# Altium PCB eRTM15_Baikal.PcbDoc (part 4 of 7)
Units mm, origin at the board's own origin, x right, y up, seen from the top; angles counter-clockwise.
Board outline 161.5 x 148.5 mm, 8 copper layers (Top Layer, RF_Layer_1, GND_PWR_Plane, RF_Layer_3, RF_Layer_4, GND_PWR_Plane_2, RF_Layer_6, Bottom Layer), stack 1.462 mm thick; 749 components, 528 nets, 2540 pads, 2420 vias.
Unrouted connection lines stored in the file: 24.
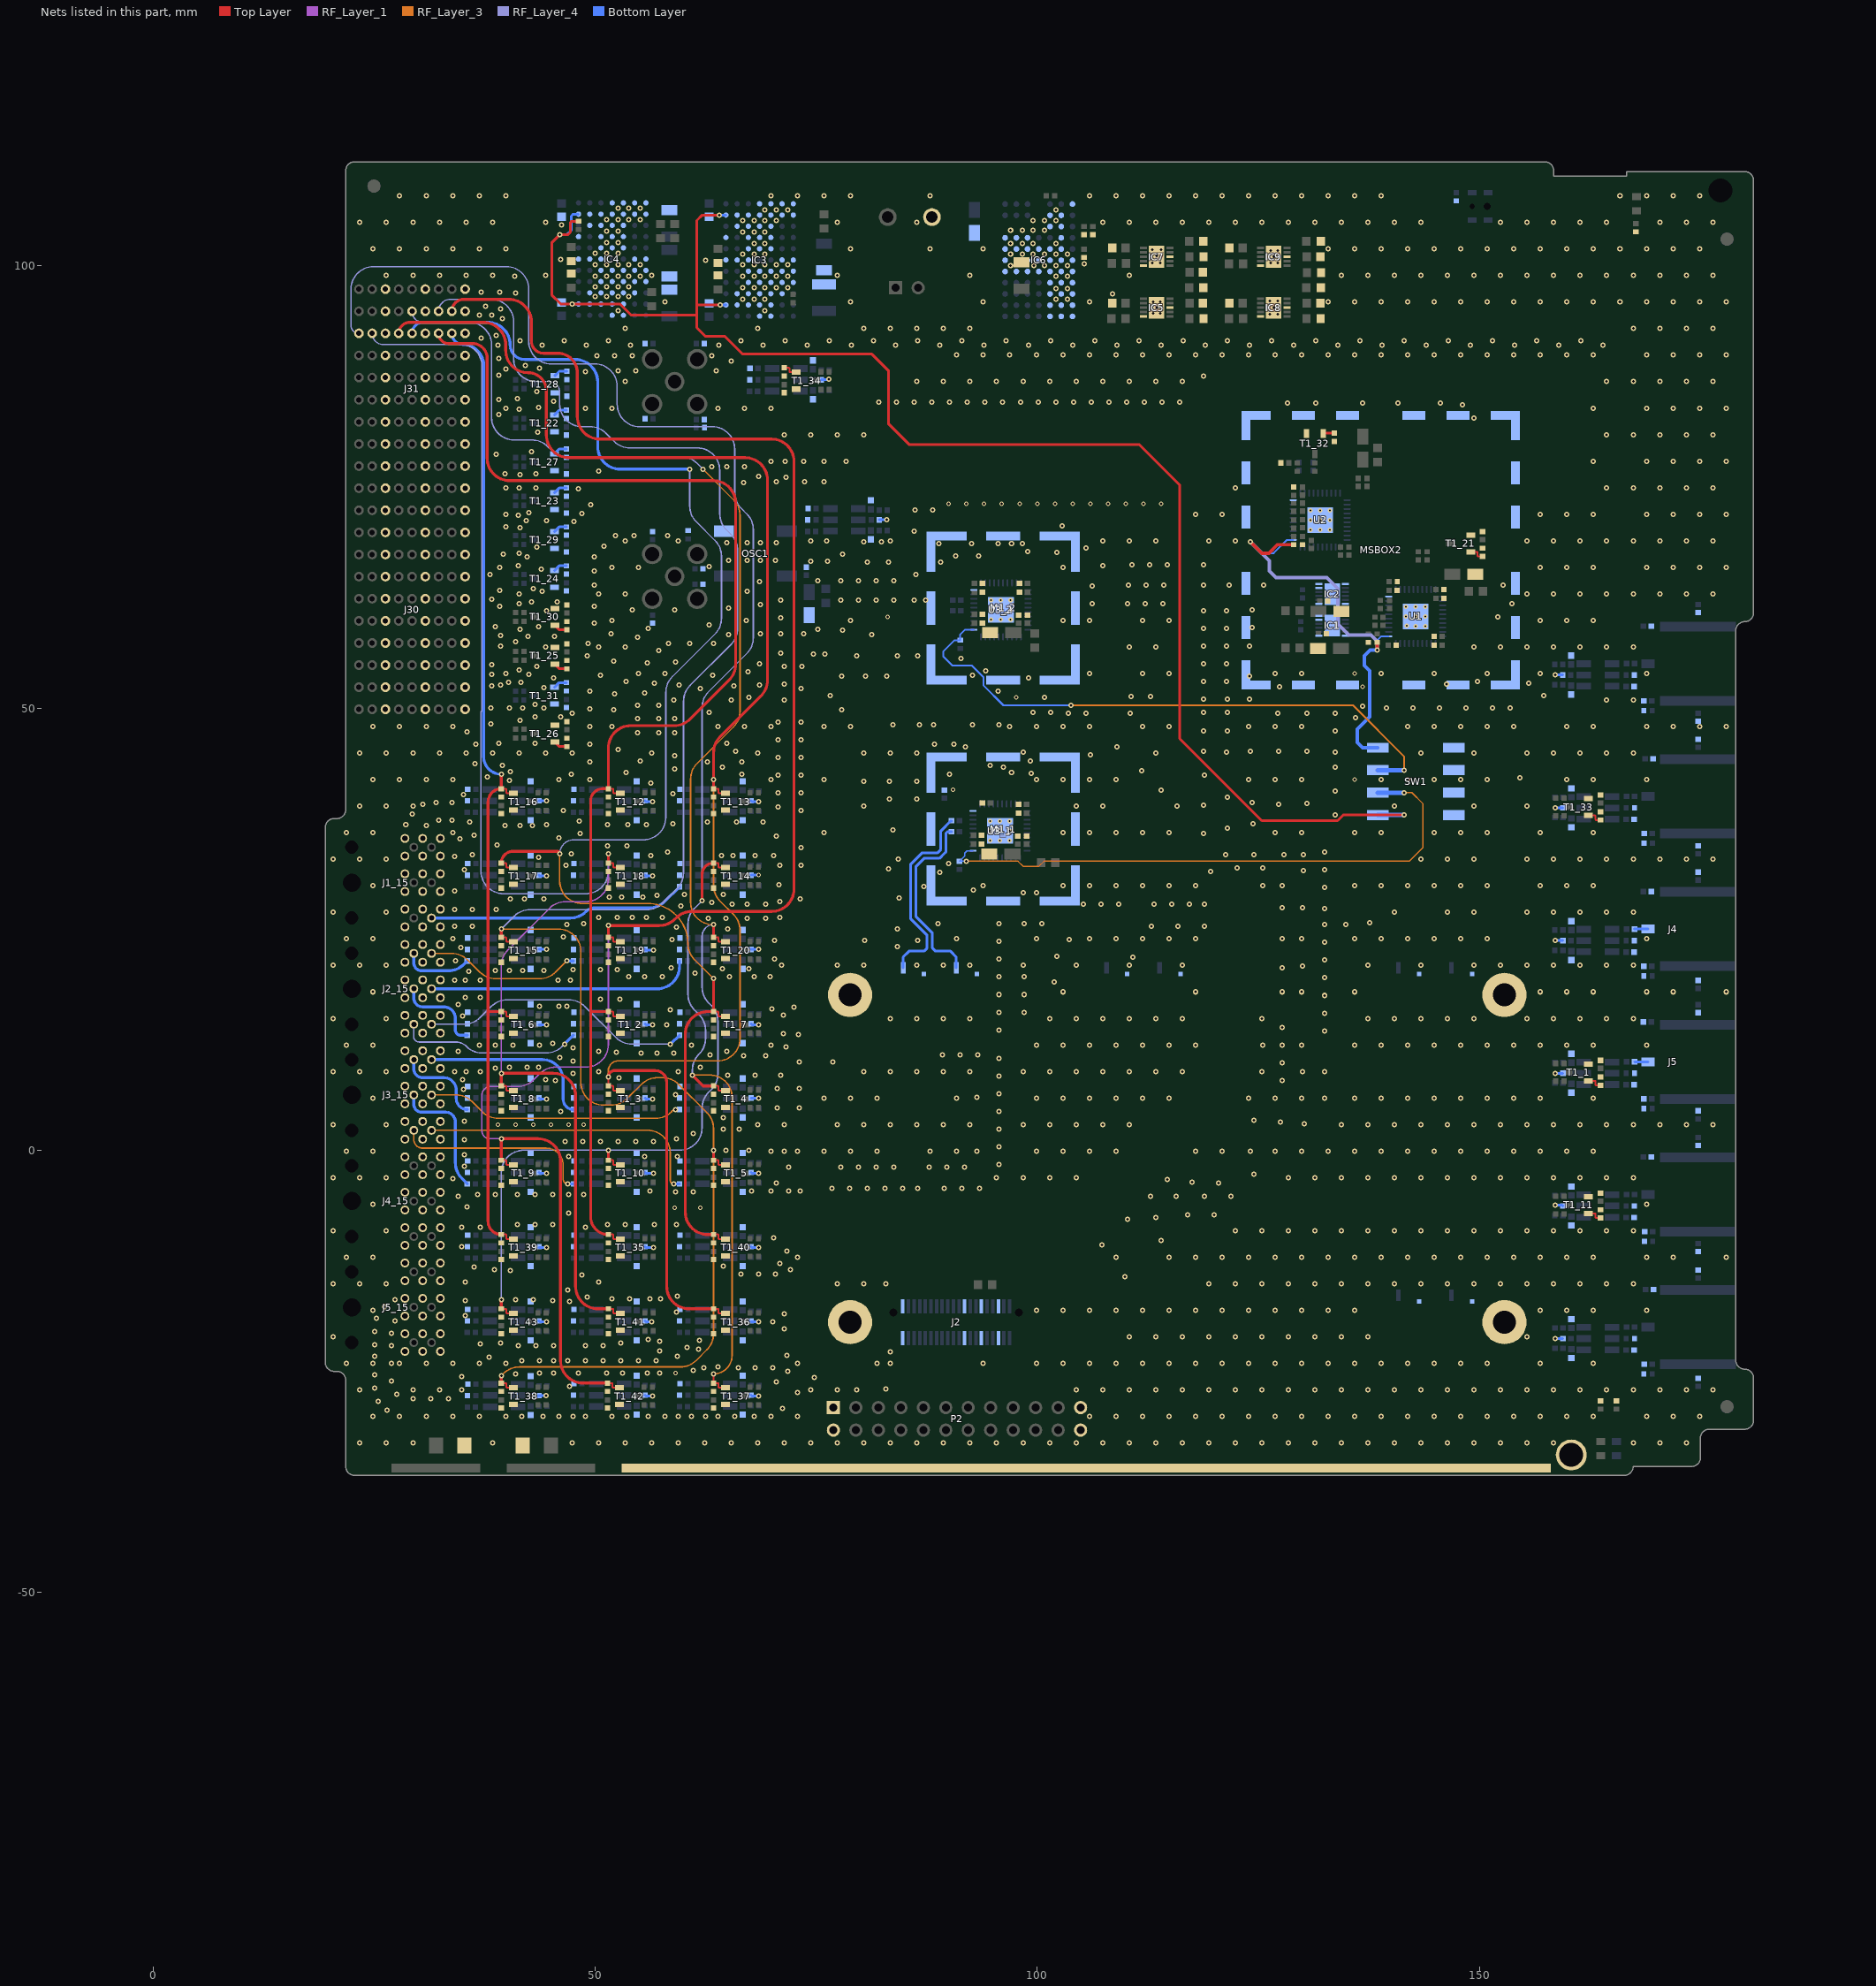
[diagram p10: the nets of this part, all layers, seen from the top]

## Via types
v1: diameter 0.6, hole 0.3, Top Layer to Bottom Layer, 2289 vias
v2: diameter 0.6, hole 0.3, Top Layer to Bottom Layer, tented both sides, 49 vias
v3: diameter 0.5, hole 0.2, Top Layer to Bottom Layer, 36 vias
v4: diameter 0.5, hole 0.3, Top Layer to Bottom Layer, 34 vias
v5: diameter 0.5, hole 0.3, Top Layer to Bottom Layer, tented both sides, 12 vias

## Nets (pads, with @x,y where several pads share a name; then routed paths per layer and width w, separated by ;. In a path a pad name is that pad's centre, name@x,y a point inside that pad or via, vN(x,y) a via of type N, cw(c..) or ccw(c..) an arc to the next point about the centre after c; other vN are vias at no path point) (continued)
EN4: J31.2d R23_10.2 R23_20.2 R23_43.2 T1_10.1 T1_20.1 T1_43.1 | length 176.2
  Top Layer w0.2: R23_43.2@39.4,-17.93 39.91,-17.93 39.97,-17.99 39.97,-18.4 40.02,-18.45 T1_43.1@40.75,-18.45 ; R23_10.2@51.5,-1.13 52.01,-1.13 52.07,-1.19 52.07,-1.6 52.12,-1.65 T1_10.1@52.85,-1.65 ; R23_20.2@63.4,24.07 63.91,24.07 63.97,24.01 63.97,23.6 64.02,23.55 T1_20.1@64.75,23.55
  Top Layer w0.33: R23_43.2@39.4,-17.93 v1(39.4,-16.9) ; R23_10.2@51.5,-1.13 v1(51.5,0) ; R23_20.2@63.4,24.07 v1(63.4,25.5)
  RF_Layer_3 w0.16: v1(62.2,77) 65.656,73.544 cw(c63.86,71.748) 66.4,71.748 66.4,49.652 cw(c63.86,49.652) 65.656,47.856 61.544,43.744 ccw(c63.34,41.948) 60.8,41.948 60.8,28.04 ccw(c63.34,28.04) v1@63.34,25.5
  RF_Layer_4 w0.17: J31.2d@29.3,94.85 ccw(c30.55,94.85) 30.55,93.6 35.76,93.6 cw(c35.76,91.06) 38.3,91.06 38.3,82.84 ccw(c40.84,82.84) 40.84,80.3 42.848,80.3 cw(c42.848,77.76) 44.644,79.556 45.056,79.144 ccw(c46.852,80.94) 46.852,78.4 59.748,78.4 cw(c59.748,75.86) 61.544,77.656 v1(62.2,77) ; v1(39.4,-16.9) 39.4,-2.54 cw(c41.94,-2.54) 41.94,0 v1(51.5,0) 59.56,0 ccw(c59.56,2.54) 62.1,2.54 62.1,4.748 cw(c64.64,4.748) 62.844,6.544 63.156,6.856 ccw(c61.36,8.652) 63.9,8.652 63.9,14.548 ccw(c61.36,14.548) 63.156,16.344 62.844,16.656 cw(c64.64,18.452) 62.1,18.452 62.1,24.2 cw(c63.4,24.2) v1(63.4,25.5)
EN5: J31.2e R23_5.2 R23_15.2 R23_38.2 T1_5.1 T1_15.1 T1_38.1 | length 220.7
  Top Layer w0.2: R23_38.2@39.4,-26.33 39.91,-26.33 39.97,-26.39 39.97,-26.8 40.02,-26.85 T1_38.1@40.75,-26.85 ; R23_15.2@39.4,24.07 39.91,24.07 39.97,24.01 39.97,23.6 40.02,23.55 T1_15.1@40.75,23.55 ; R23_5.2@63.4,-1.13 63.91,-1.13 63.97,-1.19 63.97,-1.6 64.02,-1.65 T1_5.1@64.75,-1.65
  Top Layer w0.33: R23_38.2@39.4,-26.3 v1(39.4,-25.5) ; R23_15.2@39.4,24.07 v1(39.4,25) ; R23_5.2@63.4,-1.13 v1(63.4,0)
  RF_Layer_3 w0.17: v1(39.4,-25.5) 39.656,-25.244 cw(c41.452,-27.04) 41.452,-24.5 59.648,-24.5 ccw(c59.648,-21.96) 61.444,-23.756 62.656,-22.544 ccw(c60.86,-20.748) 63.4,-20.748 v1(63.4,0) 63.4,2.448 ccw(c60.86,2.448) 62.656,4.244 59.444,7.456 ccw(c57.648,5.66) 58.061,8.166 ccw(c57.648,5.66) 57.648,8.2 57.052,8.2 ccw(c57.052,5.66) 55.256,7.456 53.644,5.844 cw(c51.848,7.64) 51.848,5.1 50.94,5.1 cw(c50.94,7.64) 48.4,7.64 48.4,22.46 ccw(c45.86,22.46) 45.86,25 v1(39.4,25)
  RF_Layer_4 w0.17: J31.2e@32.3,94.85 cw(c33.65,94.85) 33.65,96.2 38.26,96.2 cw(c38.26,93.66) 40.8,93.66 40.8,89.44 ccw(c43.34,89.44) 43.34,86.9 44.8,86.9 cw(c44.8,85.7) 46,85.7 46,84.34 ccw(c48.54,84.34) 48.54,81.8 49.448,81.8 cw(c49.448,79.26) 51.244,81.056 52.156,80.144 ccw(c53.952,81.94) 53.952,79.4 61.56,79.4 cw(c61.56,76.86) 64.1,76.86 64.1,71.952 ccw(c66.64,71.952) 64.844,70.156 65.356,69.644 cw(c63.56,67.848) 66.1,67.848 66.1,58.952 cw(c63.56,58.952) 65.356,57.156 60.744,52.544 ccw(c62.54,50.748) 60,50.748 60,31.352 cw(c57.46,31.352) 59.256,29.556 57.644,27.944 cw(c55.848,29.74) 55.848,27.2 42.652,27.2 ccw(c42.652,24.66) 40.856,26.456 v1(39.4,25)
EN6: J31.2f R23_9.2 R23_19.2 R23_42.2 T1_9.1 T1_19.1 T1_42.1 | length 208
  Top Layer w0.2: R23_9.2@39.4,-1.13 39.91,-1.13 39.97,-1.19 39.97,-1.6 40.02,-1.65 T1_9.1@40.75,-1.65 ; R23_42.2@51.4,-26.33 51.91,-26.33 51.97,-26.39 51.97,-26.8 52.02,-26.85 T1_42.1@52.75,-26.85 ; R23_19.2@51.5,24.07 52.01,24.07 52.07,24.01 52.07,23.6 52.12,23.55 T1_19.1@52.85,23.55
  Top Layer w0.33: J31.2f@33.8,94.85 cw(c35.15,94.85) 35.15,96.2 40.26,96.2 cw(c40.26,93.66) 42.8,93.66 42.8,91.5 ccw(c44.2,91.5) 44.2,90.1 45.8,90.1 cw(c45.8,87.9) 48,87.9 48,82.94 ccw(c50.54,82.94) 50.54,80.4 69.96,80.4 cw(c69.96,77.86) 72.5,77.86 72.5,29.54 cw(c69.96,29.54) 69.96,27 60.952,27 ccw(c60.952,24.46) 59.156,26.256 59.044,26.144 cw(c57.248,27.94) 57.248,25.4 v1(51.5,25.4) R23_19.2@51.5,24.07 ; R23_9.2@39.4,-1.13 v1(39.4,1.3) 43.56,1.3 cw(c43.56,-1.24) 46.1,-1.24 46.1,-23.79 ccw(c48.64,-23.79) 48.64,-26.33 R23_42.2@51.4,-26.33
  RF_Layer_1 w0.17: v1(39.4,1.3) 38.1,1.3 cw(c38.1,2.2) 37.2,2.2 37.2,6.2 cw(c38.2,6.2) 38.2,7.2 41.248,7.2 ccw(c41.248,9.74) 43.044,7.944 43.756,8.656 cw(c45.552,6.86) 45.552,9.4 48.96,9.4 ccw(c48.96,11.94) 51.5,11.94 v1(51.5,25.4)
EN7: J31.3a R23_4.2 R23_14.2 R23_37.2 T1_4.1 T1_14.1 T1_37.1 | length 193.5
  Top Layer w0.2: v1(63.4,-25.3) R23_37.2@63.4,-26.33 63.91,-26.33 63.97,-26.39 63.97,-26.8 64.02,-26.85 T1_37.1@64.75,-26.85 ; R23_4.2@63.4,7.27 63.91,7.27 63.97,7.21 63.97,6.8 64.02,6.75 T1_4.1@64.75,6.75 ; R23_14.2@63.4,32.47 63.91,32.47 63.97,32.41 63.97,32 64.02,31.95 T1_14.1@64.75,31.95
  Top Layer w0.33: v1(61,8.5) 62.23,7.27 R23_4.2@63.4,7.27 ; v1(62.1,28.2) 62.1,31.17 cw(c63.4,31.17) R23_14.2@63.4,32.47
  RF_Layer_3 w0.17: v1(61,8.5) 62.96,8.5 cw(c62.96,5.96) 65.5,5.96 65.5,-23.2 cw(c63.4,-23.2) v1(63.4,-25.3)
  RF_Layer_4 w0.16: J31.3a@23.3,92.35 cw(c23.3,93.245) 22.405,93.245 22.405,97.36 cw(c24.945,97.36) 24.945,99.9 39.96,99.9 cw(c39.96,97.36) 42.5,97.36 42.5,91.44 ccw(c45.04,91.44) 45.04,88.9 49.96,88.9 cw(c49.96,86.36) 52.5,86.36 52.5,84.34 ccw(c55.04,84.34) 55.04,81.8 63.26,81.8 cw(c63.26,79.26) 65.8,79.26 65.8,74.352 ccw(c68.34,74.352) 66.544,72.556 67.156,71.944 cw(c65.36,70.148) 67.9,70.148 67.9,57.952 cw(c65.36,57.952) 67.156,56.156 62.844,51.844 ccw(c64.64,50.048) 62.1,50.048 v1(62.1,28.2)
  RF_Layer_4 w0.17: v1(61,8.5) 61,9.048 cw(c63.54,9.048) 61.744,10.844 61.756,10.856 ccw(c59.96,12.652) 62.5,12.652 62.5,13.548 ccw(c59.96,13.548) 61.756,15.344 61.244,15.856 cw(c63.04,17.652) 60.5,17.652 60.5,25.548 cw(c63.04,25.548) 61.244,27.344 v1(62.1,28.2)
EN8: J31.3b R23_8.2 R23_18.2 R23_41.2 T1_8.1 T1_18.1 T1_41.1 | length 167.3
  Top Layer w0.2: R23_8.2@39.4,7.27 39.91,7.27 39.97,7.21 39.97,6.8 40.02,6.75 T1_8.1@40.75,6.75 ; R23_41.2@51.5,-17.93 52.01,-17.93 52.07,-17.99 52.07,-18.4 52.12,-18.45 T1_41.1@52.85,-18.45 ; R23_18.2@51.5,32.47 52.01,32.47 52.07,32.41 52.07,32 52.12,31.95 T1_18.1@52.85,31.95
  Top Layer w0.33: R23_8.2@39.4,7.27 v1(39.4,8.7) 45.26,8.7 cw(c45.26,6.16) 47.8,6.16 47.8,-15.39 ccw(c50.34,-15.39) 50.34,-17.93 R23_41.2@51.5,-17.93 ; R23_18.2@51.5,32.47 v1(51.5,33.5)
  RF_Layer_1 w0.17: v1(39.4,8.7) 39.4,20.848 cw(c41.94,20.848) 40.144,22.644 44.856,27.356 cw(c46.652,25.56) 46.652,28.1 48.96,28.1 ccw(c48.96,30.64) 51.5,30.64 v1(51.5,33.5)
  RF_Layer_4 w0.16: J31.3b@24.8,92.35 ccw(c26.05,92.35) 26.05,91.1 34.8,91.1 cw(c34.8,88.7) 37.2,88.7 37.2,49.7 cw(c37.1,49.7) 37.1,49.6 37.1,31.54 ccw(c39.64,31.54) 39.64,29 48.96,29 ccw(c48.96,31.54) 51.5,31.54 v1(51.5,33.5)
EN9: J31.3c R23_3.2 R23_13.2 R23_36.2 T1_3.1 T1_13.1 T1_36.1 | length 184.2
  Top Layer w0.2: v1(51.5,8.3) R23_3.2@51.5,7.27 52.01,7.27 52.07,7.21 52.07,6.8 52.12,6.75 T1_3.1@52.85,6.75 ; R23_36.2@63.4,-17.93 63.91,-17.93 63.97,-17.99 63.97,-18.4 64.02,-18.45 T1_36.1@64.75,-18.45 ; R23_13.2@63.4,40.87 63.91,40.87 63.97,40.81 63.97,40.4 64.02,40.35 T1_13.1@64.75,40.35
  Top Layer w0.33: J31.3c@27.8,92.35 cw(c29.05,92.35) 29.05,93.6 37.36,93.6 cw(c37.36,91.06) 39.9,91.06 39.9,90.44 ccw(c42.44,90.44) 42.44,87.9 cw(c42.44,85.84) 44.5,85.84 44.5,80.84 ccw(c47.04,80.84) 47.04,78.3 66.96,78.3 cw(c66.96,75.76) 69.5,75.76 69.5,53.152 cw(c66.96,53.152) 68.756,51.356 64.144,46.744 ccw(c65.94,44.948) 63.4,44.948 v1(63.4,41.9) R23_13.2@63.4,40.87 ; v1(51.5,8.3) cw(c52.2,8.3) 52.2,9 56.8,9 cw(c56.8,7.7) 58.1,7.7 58.1,-15.39 ccw(c60.64,-15.39) 60.64,-17.93 R23_36.2@63.4,-17.93
  RF_Layer_3 w0.17: v1(51.5,8.3) 51.5,9 cw(c52.6,9) 52.6,10.1 63.86,10.1 ccw(c63.86,12.64) 66.4,12.64 66.4,24.848 ccw(c63.86,24.848) 65.656,26.644 64.144,28.156 cw(c65.94,29.952) 63.4,29.952 v1(63.4,41.9)
EN10: J31.3d R23_7.2 R23_17.2 R23_40.2 T1_7.1 T1_17.1 T1_40.1 | length 174.9
  Top Layer w0.2: R23_17.2@39.4,32.47 39.91,32.47 39.97,32.41 39.97,32 40.02,31.95 T1_17.1@40.75,31.95 ; R23_40.2@63.4,-9.53 63.91,-9.53 63.97,-9.59 63.97,-10 64.02,-10.05 T1_40.1@64.75,-10.05 ; R23_7.2@63.4,15.67 63.91,15.67 63.97,15.61 63.97,15.2 64.02,15.15 T1_7.1@64.75,15.15
  Top Layer w0.33: R23_17.2@39.4,32.47 cw(c40.73,32.47) 40.73,33.8 45.7,33.8 cw(c45.7,33.5) v1(46,33.5) ; R23_40.2@63.4,-9.53 62.74,-9.53 cw(c62.74,-6.99) 60.2,-6.99 60.2,13.13 cw(c62.74,13.13) 62.74,15.67 R23_7.2@63.4,15.67 v1(63.4,19.4)
  RF_Layer_3 w0.17: v1(46,33.5) 46,30.44 ccw(c48.54,30.44) 48.54,27.9 55.952,27.9 cw(c55.952,23.352) 60.5,23.352 ccw(c63.04,23.352) 61.244,21.556 v1(63.4,19.4)
  RF_Layer_4 w0.16: v1(46,33.5) cw(c47.6,33.5) 47.6,35.1 55.46,35.1 ccw(c55.46,37.64) 58,37.64 58,51.748 cw(c60.54,51.748) 58.744,53.544 63.556,58.356 ccw(c61.76,60.152) 64.3,60.152 64.3,67.148 ccw(c61.76,67.148) 63.556,68.944 61.444,71.056 cw(c63.24,72.852) 60.7,72.852 v1(60.7,77)
  Bottom Layer w0.33: J31.3d@29.3,92.35 cw(c30.55,92.35) 30.55,93.6 37.86,93.6 cw(c37.86,91.06) 40.4,91.06 ccw(c42.06,91.06) 42.06,89.4 47.76,89.4 cw(c47.76,86.86) 50.3,86.86 50.3,79.54 ccw(c52.84,79.54) 52.84,77 v1(60.7,77)
EN11: J31.3e R23_2.2 R23_12.2 R23_35.2 T1_2.1 T1_12.1 T1_35.1 | length 151.7
  Top Layer w0.2: R23_35.2@51.5,-9.53 52.01,-9.53 52.07,-9.59 52.07,-10 52.12,-10.05 T1_35.1@52.85,-10.05 ; R23_2.2@51.5,15.67 52.01,15.67 52.07,15.61 52.07,15.2 52.12,15.15 T1_2.1@52.85,15.15 ; R23_12.2@51.5,40.87 52.01,40.87 52.07,40.81 52.07,40.4 52.12,40.35 T1_12.1@52.85,40.35
  Top Layer w0.33: J31.3e@32.3,92.35 ccw(c33.45,92.35) 33.45,91.2 36.148,91.2 cw(c36.148,89.548) 37.8,89.548 37.8,78.24 ccw(c40.34,78.24) 40.34,75.7 63.36,75.7 cw(c63.36,73.16) 65.9,73.16 65.9,54.952 cw(c63.36,54.952) 65.156,53.156 60.744,48.744 cw(c58.948,50.54) 58.948,48 54.04,48 ccw(c54.04,45.46) 51.5,45.46 R23_12.2@51.5,40.87 50.87,40.87 ccw(c50.87,39.5) 49.5,39.5 49.5,15.6 ; R23_35.2@51.5,-9.53 cw(c51.5,-7.53) 49.5,-7.53 49.5,15.6 ; R23_2.2@51.5,15.67 49.57,15.67 ccw(c49.57,15.6) 49.5,15.6
EN12: J31.3f R23_6.2 R23_16.2 R23_39.2 T1_6.1 T1_16.1 T1_39.1 | length 113.7
  Top Layer w0.2: R23_39.2@39.4,-9.53 39.91,-9.53 39.97,-9.59 39.97,-10 40.02,-10.05 T1_39.1@40.75,-10.05 ; R23_6.2@39.4,15.67 39.91,15.67 39.97,15.61 39.97,15.2 40.02,15.15 T1_6.1@40.75,15.15 ; R23_16.2@39.4,40.87 39.91,40.87 39.97,40.81 39.97,40.4 40.02,40.35 T1_16.1@40.75,40.35
  Top Layer w0.33: R23_39.2@39.4,-9.53 cw(c39.4,-8.03) 37.9,-8.03 37.9,15.6 ; R23_6.2@39.4,15.67 37.97,15.67 ccw(c37.97,15.6) 37.9,15.6 ; v1(39.4,42.5) R23_16.2@39.4,40.87 ccw(c39.4,39.37) 37.9,39.37 37.9,15.6
  Bottom Layer w0.33: J31.3f@33.8,92.35 ccw(c35.05,92.35) 35.05,91.1 cw(c35.05,88.75) 37.4,88.75 37.4,44.5 ccw(c39.4,44.5) v1(39.4,42.5)
EN_CLK_Mezz: IC3.B7 IC3.K7 IC4.B7 IC4.K7 R16.1 SW1.5 | length 178.3
  Top Layer w0.3: R16.1@48.13,105.03 47.33,105.03 47.2,104.9 47.2,103.8 46.9,103.5 v1(46,103.5) 45.1,102.6 45.1,96.7 46.13,95.67 v1(47.43,95.67) 52.83,95.67 54.1,94.4 61.5,94.4 ; v1(64.03,105.73) 62.13,105.73 61.5,105.1 61.5,95.5 ; v1(64.13,95.57) 61.57,95.57 61.5,95.5 ; v1(141.49,37.89) 134.609,37.89 133.969,37.25 125.386,37.25 116.103,46.533 116.103,75.209 111.513,79.8 85.5,79.8 83.2,82.1 83.2,88.1 81.3,90 66.7,90 64.7,92 62.5,92 61.5,93 61.5,94.4 ; 61.5,94.4 61.5,95.5
  Bottom Layer w0.3: v1(46,103.5) 46.8,103.5 47.3,104 47.3,105.6 47.53,105.83 IC4.B7@48.13,105.83 ; v1(47.43,95.67) IC4.K7@48.13,95.67 ; v1(64.03,105.73) IC3.B7@64.8,105.73 ; v1(64.13,95.57) IC3.K7@64.8,95.57
  Bottom Layer w0.5: SW1.5@138.5,37.89 v1(141.49,37.89)
Enable_1: R23_1.2 T1_1.1 | length 1.8
  Top Layer w0.2: T1_1.1@162.35,7.85 163.08,7.85 163.13,7.8 163.13,7.39 163.19,7.33 R23_1.2@163.7,7.33
Enable_11: R23_11.2 T1_11.1 | length 1.8
  Top Layer w0.2: T1_11.1@162.35,-7.15 163.08,-7.15 163.13,-7.2 163.13,-7.61 163.19,-7.67 R23_11.2@163.7,-7.67
Enable_21: R23_21.2 T1_21.1 | length 1.8
  Top Layer w0.2: T1_21.1@149.02,67.65 149.75,67.65 149.8,67.6 149.8,67.19 149.86,67.13 R23_21.2@150.37,67.13
Enable_22: R23_22.2 T1_22.1 | length 1.6
  Bottom Layer w0.3: T1_22.1@45.425,83.15 45.945,83.67 R23_22.2@46.775,83.67
Enable_23: R23_23.2 T1_23.1 | length 1.6
  Bottom Layer w0.3: T1_23.1@45.425,74.35 45.945,74.87 R23_23.2@46.775,74.87
Enable_24: R23_24.2 T1_24.1 | length 1.6
  Bottom Layer w0.3: T1_24.1@45.425,65.55 45.945,66.07 R23_24.2@46.775,66.07
Enable_25: R23_25.2 T1_25.1 | length 1.6
  Top Layer w0.3: T1_25.1@45.45,54.95 45.97,54.43 R23_25.2@46.8,54.43
Enable_26: R23_26.2 T1_26.1 | length 1.6
  Top Layer w0.3: T1_26.1@45.45,46.15 45.97,45.63 R23_26.2@46.8,45.63
Enable_27: R23_27.2 T1_27.1 | length 1.6
  Bottom Layer w0.3: T1_27.1@45.425,78.75 45.945,79.27 R23_27.2@46.775,79.27
Enable_28: R23_28.2 T1_28.1 | length 1.6
  Bottom Layer w0.3: T1_28.1@45.45,87.55 45.97,88.07 R23_28.2@46.8,88.07
Enable_29: R23_29.2 T1_29.1 | length 1.6
  Bottom Layer w0.3: T1_29.1@45.425,69.95 45.945,70.47 R23_29.2@46.775,70.47
Enable_30: R23_30.2 T1_30.1 | length 1.6
  Top Layer w0.3: T1_30.1@45.45,59.35 45.97,58.83 R23_30.2@46.8,58.83
Enable_31: R23_31.2 T1_31.1 | length 1.6
  Bottom Layer w0.3: T1_31.1@45.425,52.35 45.945,52.87 R23_31.2@46.775,52.87
Enable_32: R23_32.2 T1_32.1 | length 1.3
  Top Layer w0.33: T1_32.1@132.35,81.05 132.37,81.07 R23_32.2@133.6,81.07
Enable_33: R23_33.2 T1_33.1 | length 1.8
  Top Layer w0.2: T1_33.1@162.35,37.85 163.08,37.85 163.13,37.8 163.13,37.39 163.19,37.33 R23_33.2@163.7,37.33
Enable_34: R23_34.2 T1_34.1 | length 1.8
  Top Layer w0.2: R23_34.2@71.4,88.47 71.91,88.47 71.97,88.41 71.97,88 72.02,87.95 T1_34.1@72.75,87.95
GND: C1.1 C2.1 C3.1 C4.1 C5.1 C6.1 C8_1.1 C8_2.1 C8_3.1 C8_4.1 C8_5.1 C8_6.1 C8_7.1 C8_8.1 C8_9.1 C8_10.1 C8_11.1 C8_12.1 C8_13.1 C8_14.1 C8_15.1 C8_16.1 C8_17.1 C8_18.1 C8_19.1 C8_20.1 C8_21.1 C8_22.1 C8_23.1 C8_24.1 C8_25.1 C8_26.1 C8_27.1 C8_28.1 C8_29.1 C8_30.1 C8_31.1 C8_32.1 C8_33.1 C8_34.1 C8_35.1 C9_1.1 C9_2.1 C9_3.1 C9_4.1 C9_5.1 C9_6.1 C9_7.1 C9_8.1 C9_9.1 C9_10.1 C9_11.1 C9_12.1 C9_13.1 C9_14.1 C9_15.1 C9_16.1 C9_17.1 C9_18.1 C9_19.1 C9_20.1 C9_21.1 C9_22.1 C9_23.1 C9_24.1 C9_25.1 C9_26.1 C9_27.1 C9_28.1 C9_29.1 C9_30.1 C9_31.1 C9_32.1 C9_33.1 C9_34.1 C9_35.1 C10_1.2 C10_2.2 C10_3.2 C10_4.2 C10_5.2 C10_6.2 C10_7.2 C10_8.2 C10_9.2 C10_10.2 C10_11.2 C10_12.2 C10_13.2 C10_14.2 C10_15.2 C10_16.2 C10_17.2 C10_18.2 C10_19.2 C10_20.2 C10_21.2 C10_22.2 C10_23.2 C10_24.2 C10_25.2 C10_26.2 C10_27.2 C10_28.2 C10_29.2 C10_30.2 C10_31.2 C10_32.2 C10_33.2 C10_34.2 C10_35.2 C13_1.2 C13_2.2 C13_3.2 C13_4.2 C13_5.2 C13_6.2 C13_7.2 C13_8.2 C13_9.2 C13_10.2 C13_11.2 C13_12.2 C13_13.2 C13_14.2 C13_15.2 C13_16.2 C13_17.2 C13_18.2 C13_19.2 C13_20.2 C13_21.2 C13_22.2 C13_23.2 C13_24.2 C13_25.2 C13_26.2 C13_27.2 C13_28.2 C13_29.2 C13_30.2 C13_31.2 C13_32.2 C13_33.2 C13_34.2 C13_35.2 C14.2 C15.1 C16.2 C20.2 C21.1 C22.2 C23.1 C24.2 C26.1 C27.2 C28.1 C29.1 C30.1 C31.1 C32.1 C33.1 C37.2 C46.1 C47.1 C48.1 C49.1 C50_1.1 C50_2.1 C51_1.1 C51_2.1 C52_1.2 C52_2.2 C53_1.1 C53_2.1 C54_1.1 C54_2.1 C55_1.1 C55_2.1 C56_1.1 C56_2.1 C57_1.1 C57_2.1 C58_1.1 C58_2.1 C59_1.1 C59_2.1 C59_3.1 C59_4.1 C59_5.1 C59_6.1 C59_7.1 C59_8.1 C59_9.1 C59_10.1 C59_11.1 C59_12.1 C59_13.1 C59_14.1 C59_15.1 C59_16.1 C59_17.1 C59_18.1 C59_19.1 C59_20.1 C59_21.1 C59_22.1 C59_23.1 C59_24.1 C59_25.1 C59_26.1 C59_27.1 C59_28.1 C59_29.1 C59_30.1 C59_31.1 C59_32.1 C59_33.1 C59_34.1 C59_35.1 C59_36.1 C59_37.1 C59_38.1 C59_39.1 C59_40.1 C59_41.1 C59_42.1 C59_43.1 C60.2 C61.2 C62.1 C63.1 C64.1 C65.2 C66.1 C67.2 C68.1 C69.1 C70.1 C71.1 C72.1 C73.1 C74.1 C75.1 C76.1 C77.1 C78.1 C79.2 C80.2 C81.1 C82.1 C83.1 C84.1 C85.2 C86.2 C87.1 C88.1 C89.1 C90.1 C91.2 C92.2 C93.1 C94.1 C95.1 C96.1 C97.1 C98.2 C99.2 C100.2 ESD3.1 IC1.1 IC1.5 IC1.6 IC1.7 IC1.12 IC1.13 IC2.1 IC2.5 IC2.6 IC2.7 IC2.12 IC2.13 IC3.A1 IC3.A2 IC3.A3 IC3.A4 IC3.B1 IC3.B2 IC3.B3 IC3.B4 IC3.B5 IC3.B6 IC3.C3 IC3.C4 IC3.C5 IC3.C6 IC3.D3 IC3.D4 IC3.D5 IC3.D7 IC3.E3 IC3.E4 IC3.E5 IC3.F1 IC3.F2 IC3.F5 IC3.F6 IC3.F7 IC3.G1 IC3.G2 IC3.G3 IC3.G4 IC3.G5 IC3.H1 IC3.H2 IC3.H3 IC3.H4 IC3.H5 IC3.J2 IC3.J3 IC3.J4 IC3.J5 IC3.J6 IC3.K3 IC3.K4 IC3.K5 IC3.K6 IC3.L3 IC3.L4 IC4.A1 IC4.A2 IC4.A3 IC4.A4 IC4.B1 IC4.B2 IC4.B3 IC4.B4 IC4.B5 IC4.B6 IC4.C3 IC4.C4 IC4.C5 IC4.C6 IC4.D3 IC4.D4 IC4.D5 IC4.D7 IC4.E3 IC4.E4 IC4.E5 IC4.F1 IC4.F2 IC4.F5 IC4.F6 IC4.F7 IC4.G1 IC4.G2 IC4.G3 IC4.G4 IC4.G5 IC4.H1 IC4.H2 IC4.H3 IC4.H4 IC4.H5 IC4.J2 IC4.J3 IC4.J4 IC4.J5 IC4.J6 IC4.K3 IC4.K4 IC4.K5 IC4.K6 IC4.L3 IC4.L4 IC5.5 IC5.8 IC5.11 IC6.A5 IC6.A6 IC6.A7 IC6.B5 IC6.B6 IC6.B7 IC6.C5 IC6.C6 IC6.C7 IC6.D5 IC6.D6 IC6.D7 IC6.E1 IC6.E2 IC6.E3 IC6.E4 IC6.E5 IC6.E6 IC6.E7 IC6.F1 IC6.F2 IC6.F3 IC6.F4 IC6.F5 IC6.F6 IC6.F7 IC6.G1 IC6.G2 IC6.G3 IC6.G4 IC6.G5 IC6.G6 IC6.H1 IC6.H2 IC6.H3 IC6.H6 IC6.J5 IC6.J6 IC6.K5 IC6.K6 IC6.L7 IC7.5 IC7.8 IC7.11 IC8.5 IC8.8 IC8.11 IC9.5 IC9.8 IC9.11 J1_15.0 J2.1 J2.2 J2.23 J2.24 J2.29 J2.30 J2.35 J2.36 J2_15.0 J3_15.0 J4_15.0 J5_15.0 J9.2 J10.2 J11.2 J12.2 J13.2 J14.2 J15.2 J16.2 J17.2 J30.1ab J30.1cd J30.1ef J30.2ab J30.2cd J30.2ef J30.3ab J30.3cd J30.3ef J30.4ab J30.4cd J30.4ef J30.5ab J30.5cd J30.5ef J30.6ab J30.6cd J30.6ef J30.7ab J30.7cd J30.7ef J30.8ab J30.8cd J30.8ef J30.9ab J30.9cd J30.9ef J30.10ab J30.10cd J30.10ef J31.1ab J31.1cd J31.1ef J31.2ab J31.2cd J31.2ef J31.3ab J31.3cd J31.3ef J31.4ab J31.4cd J31.4ef J31.5ab J31.5cd J31.5ef J31.6ab J31.6cd J31.6ef J31.7ab J31.7cd J31.7ef J31.8ab J31.8cd J31.8ef J31.9ab J31.9cd J31.9ef J31.10ab J31.10cd J31.10ef M1_1.0 M1_2.0 MSBOX2.1 OSC1.2 P2.1 P2.2 P2.23 P2.24 pad.0@78.84,17.56 pad.0@78.84,-19.44 pad.0@152.84,17.56 pad.0@152.84,-19.44 pad.0@160.4,-34.45 R1.1 R1_1.2 R1_2.2 R1_3.2 R1_4.2 R1_5.2 R1_6.2 R1_7.2 R1_8.2 R1_9.2 R1_10.2 R1_11.2 R1_12.2 R1_13.2 R1_14.2 R1_15.2 R1_16.2 R1_17.2 R1_18.2 R1_19.2 R1_20.2 R1_21.2 R1_22.2 R1_23.2 R1_24.2 R1_25.2 R1_26.2 R1_27.2 R1_28.2 R1_29.2 R1_30.2 R1_31.2 R1_32.2 R1_33.2 R1_34.2 R1_35.2 R2.1 R4.1 R5.1 R6.1 R8.1 R12.1 R17.1 R18.1 R19.1 R23_1.1 R23_2.1 R23_3.1 R23_4.1 R23_5.1 R23_6.1 R23_7.1 R23_8.1 R23_9.1 R23_10.1 R23_11.1 R23_12.1 R23_13.1 R23_14.1 R23_15.1 R23_16.1 R23_17.1 R23_18.1 R23_19.1 R23_20.1 R23_21.1 R23_22.1 R23_23.1 R23_24.1 R23_25.1 R23_26.1 R23_27.1 R23_28.1 R23_29.1 R23_30.1 R23_31.1 R23_32.1 R23_33.1 R23_34.1 R23_35.1 R23_36.1 R23_37.1 R23_38.1 R23_39.1 R23_40.1 R23_41.1 R23_42.1 R23_43.1 R24.1 R28.1 R29.1 R30.1 R32.2 R33.1 R34.1 R35.1 R36.1 R37.1 R38.1 R41.1 R42.1 R43.1 R44.1 R45.1 R46.1 R47.2 R48.1 SW1.1 SW1.2 SW1.3 SW1.4 T1_1.2 T1_2.2 T1_3.2 T1_4.2 T1_5.2 T1_6.2 T1_7.2 T1_8.2 T1_9.2 T1_10.2 T1_11.2 T1_12.2 T1_13.2 T1_14.2 T1_15.2 T1_16.2 T1_17.2 T1_18.2 T1_19.2 T1_20.2 T1_21.2 T1_22.2 T1_23.2 T1_24.2 T1_25.2 T1_26.2 T1_27.2 T1_28.2 T1_29.2 T1_30.2 T1_31.2 T1_32.2 T1_33.2 T1_34.2 T1_35.2 T1_36.2 T1_37.2 T1_38.2 T1_39.2 T1_40.2 T1_41.2 T1_42.2 T1_43.2 U1.10 U1.41 U2.10 U2.41 U3_1.10 U3_1.41 U3_2.10 U3_2.41 | length 30.7
  Bottom Layer w0.3: C9_35.1@43.625,-19.3 C9_35.1@43.655,-19.3 43.755,-19.4 v1(44.5,-19.4) ; C9_34.1@43.63,-27.73 C9_34.1@43.66,-27.73 v1(44.48,-27.73) ; C9_27.1@43.655,-11 v1(44.505,-11) ; C9_9.1@43.655,-2.5 43.755,-2.6 v1(44.5,-2.6) ; C9_7.1@43.655,5.9 43.755,5.8 v1(44.5,5.8) ; C9_3.1@43.655,14.2 v1(44.505,14.2) ; C9_21.1@43.655,22.7 v1(44.505,22.7) ; C9_16.1@43.655,31.1 43.755,31 v1(44.5,31) ; C9_14.1@43.655,39.5 v1(44.505,39.5) ; C9_33.1@55.655,-27.7 55.755,-27.8 v1(56.5,-27.8) ; C9_31.1@55.655,-19.3 55.755,-19.4 v1(56.4,-19.4) ; C9_28.1@55.655,-10.9 55.755,-11 v1(56.6,-11) ; C9_11.1@55.655,-2.5 55.755,-2.6 v1(56.6,-2.6) ; C9_6.1@55.655,5.9 55.755,5.8 v1(56.5,5.8) ; C9_4.1@55.655,14.3 55.755,14.2 v1(56.5,14.2) ; C9_20.1@55.655,22.7 55.755,22.6 v1(56.6,22.6) ; C9_18.1@55.655,31.1 55.755,31 v1(56.5,31) ; C9_15.1@55.655,39.5 55.755,39.4 v1(56.5,39.4) ; C9_32.1@67.655,-27.7 67.755,-27.8 v1(68.5,-27.8) ; C9_30.1@67.655,-19.4 v1(68.505,-19.4) ; C9_29.1@67.655,-10.9 67.755,-11 v1(68.5,-11) ; C9_10.1@67.655,-2.5 67.755,-2.6 v1(68.5,-2.6) ; C9_8.1@67.655,5.9 v1(68.505,5.9) ; C9_5.1@67.655,14.3 67.755,14.2 v1(68.5,14.2) ; C9_22.1@67.655,22.7 v1(68.505,22.7) ; C9_19.1@67.655,31.1 v4(68.505,31.1) ; C9_17.1@67.655,39.5 67.755,39.4 v1(68.5,39.4) ; C9_26.1@75.58,87.1 v1@76.43,87.1 ; C9_24.1@82.14,71.27 v1(82.99,71.27) ; v1(158.59,53.73) C9_25.1@159.44,53.73 ; v1(158.595,23.7) C9_2.1@159.445,23.7 ; v1(158.6,-21.3) C9_13.1@159.45,-21.3 ; v1(158.6,-6.2) 159.345,-6.2 C9_12.1@159.445,-6.3 ; v1(158.6,8.7) C9_1.1@159.45,8.7 ; v1(158.6,38.7) C9_23.1@159.45,38.7